# Altium PCB PCB5.PcbDoc (part 1 of 2)
Units mm, origin at the board's own origin, x right, y up, seen from the top; angles counter-clockwise.
Board outline 73.53 x 115.71 mm, 4 copper layers (Top Layer, GROUND, POWER, Bottom Layer), stack 0.603 mm thick; 96 components, 79 nets, 386 pads, 1017 vias.
Unrouted connection lines stored in the file: 10.
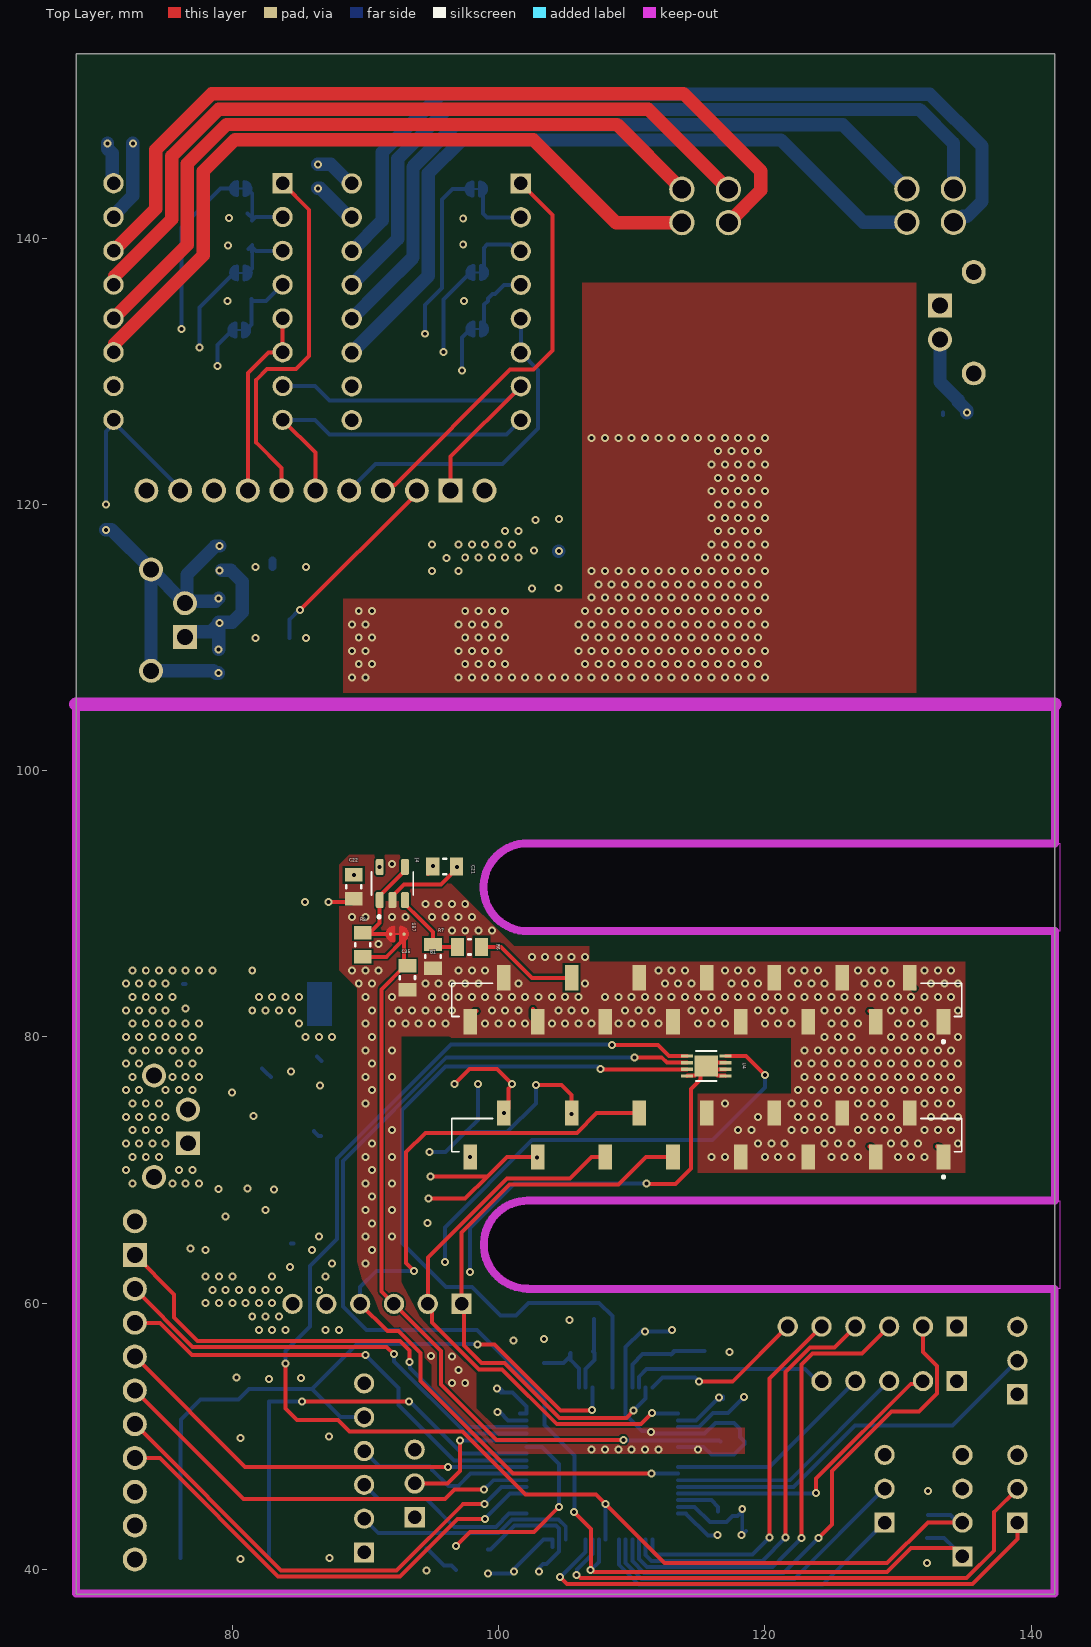
[diagram p0: Top Layer view]
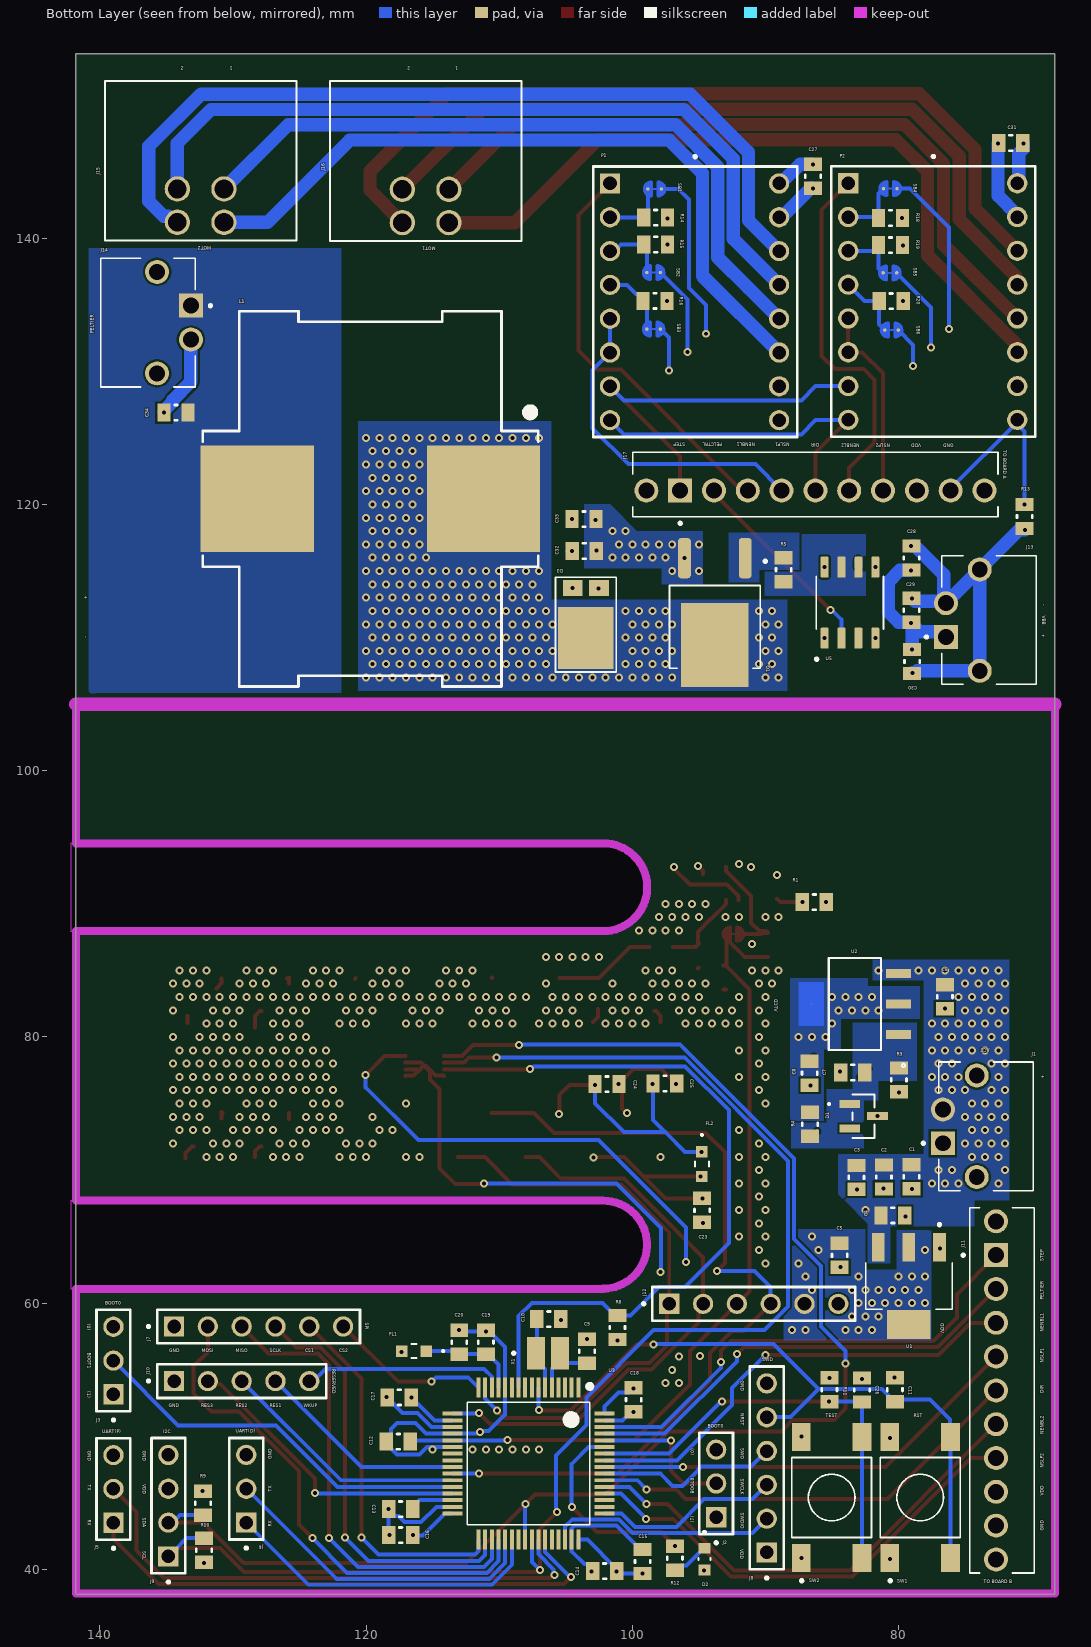
[diagram p1: Bottom Layer view, seen from below]
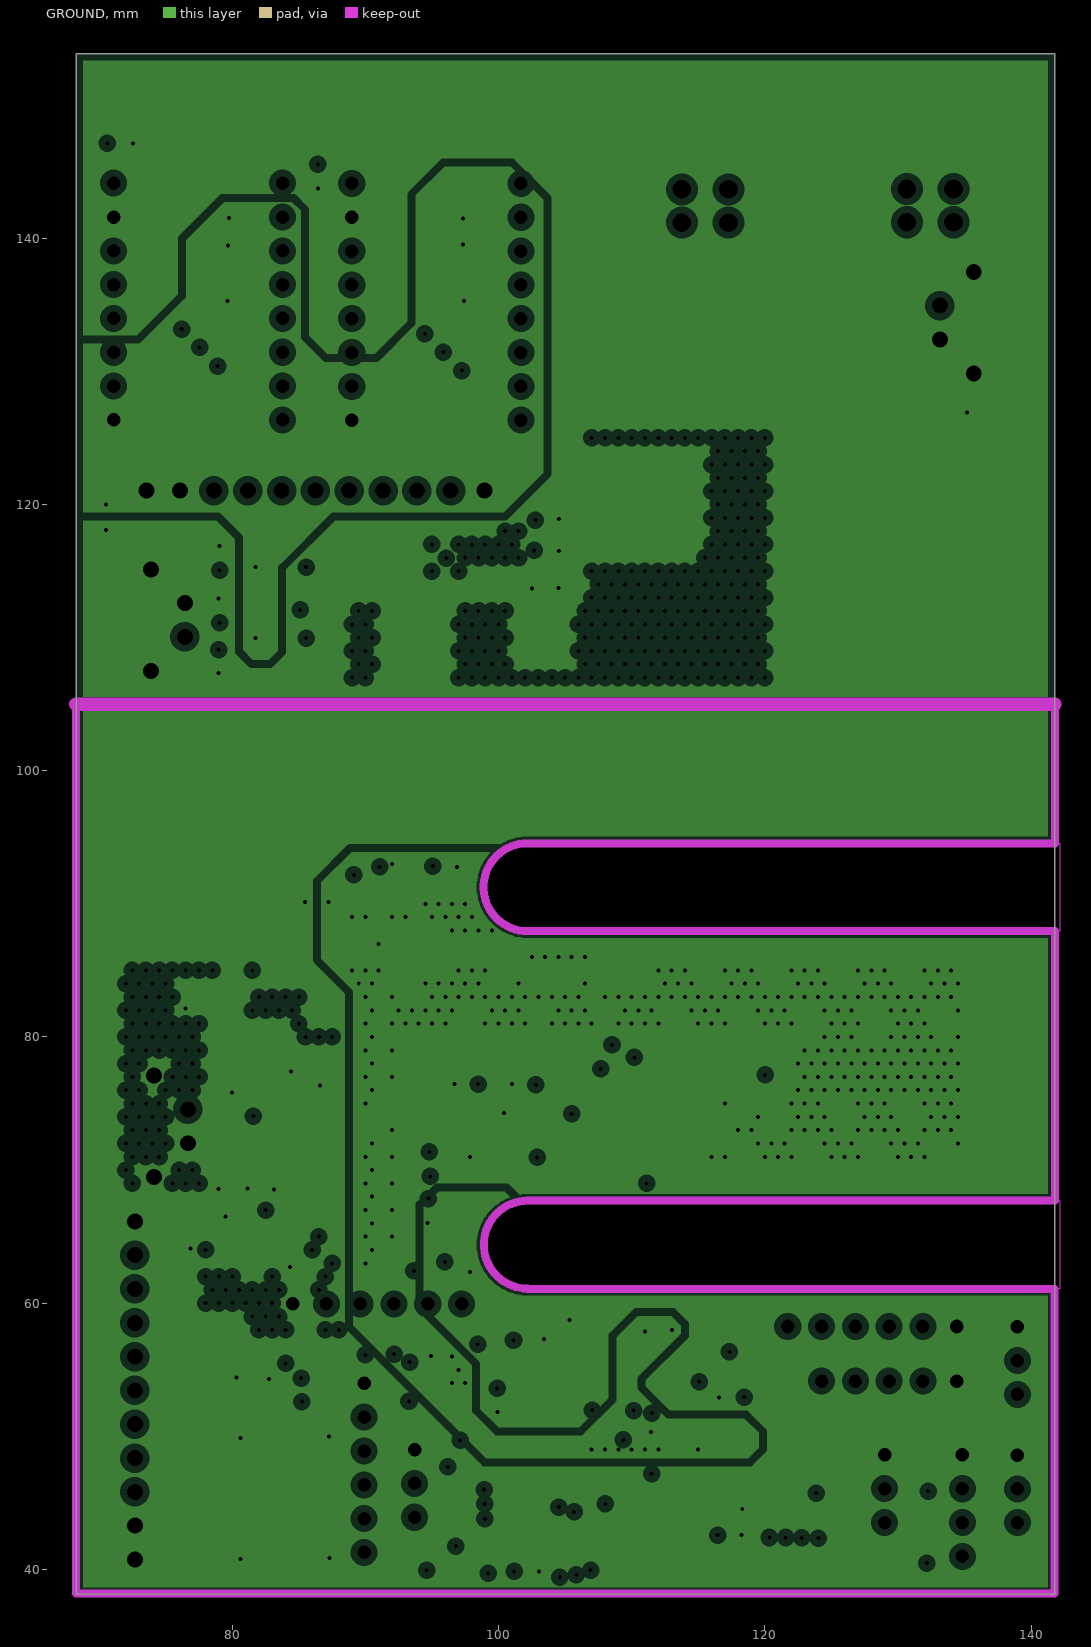
[diagram p2: GROUND, clearances drawn from the general rule]
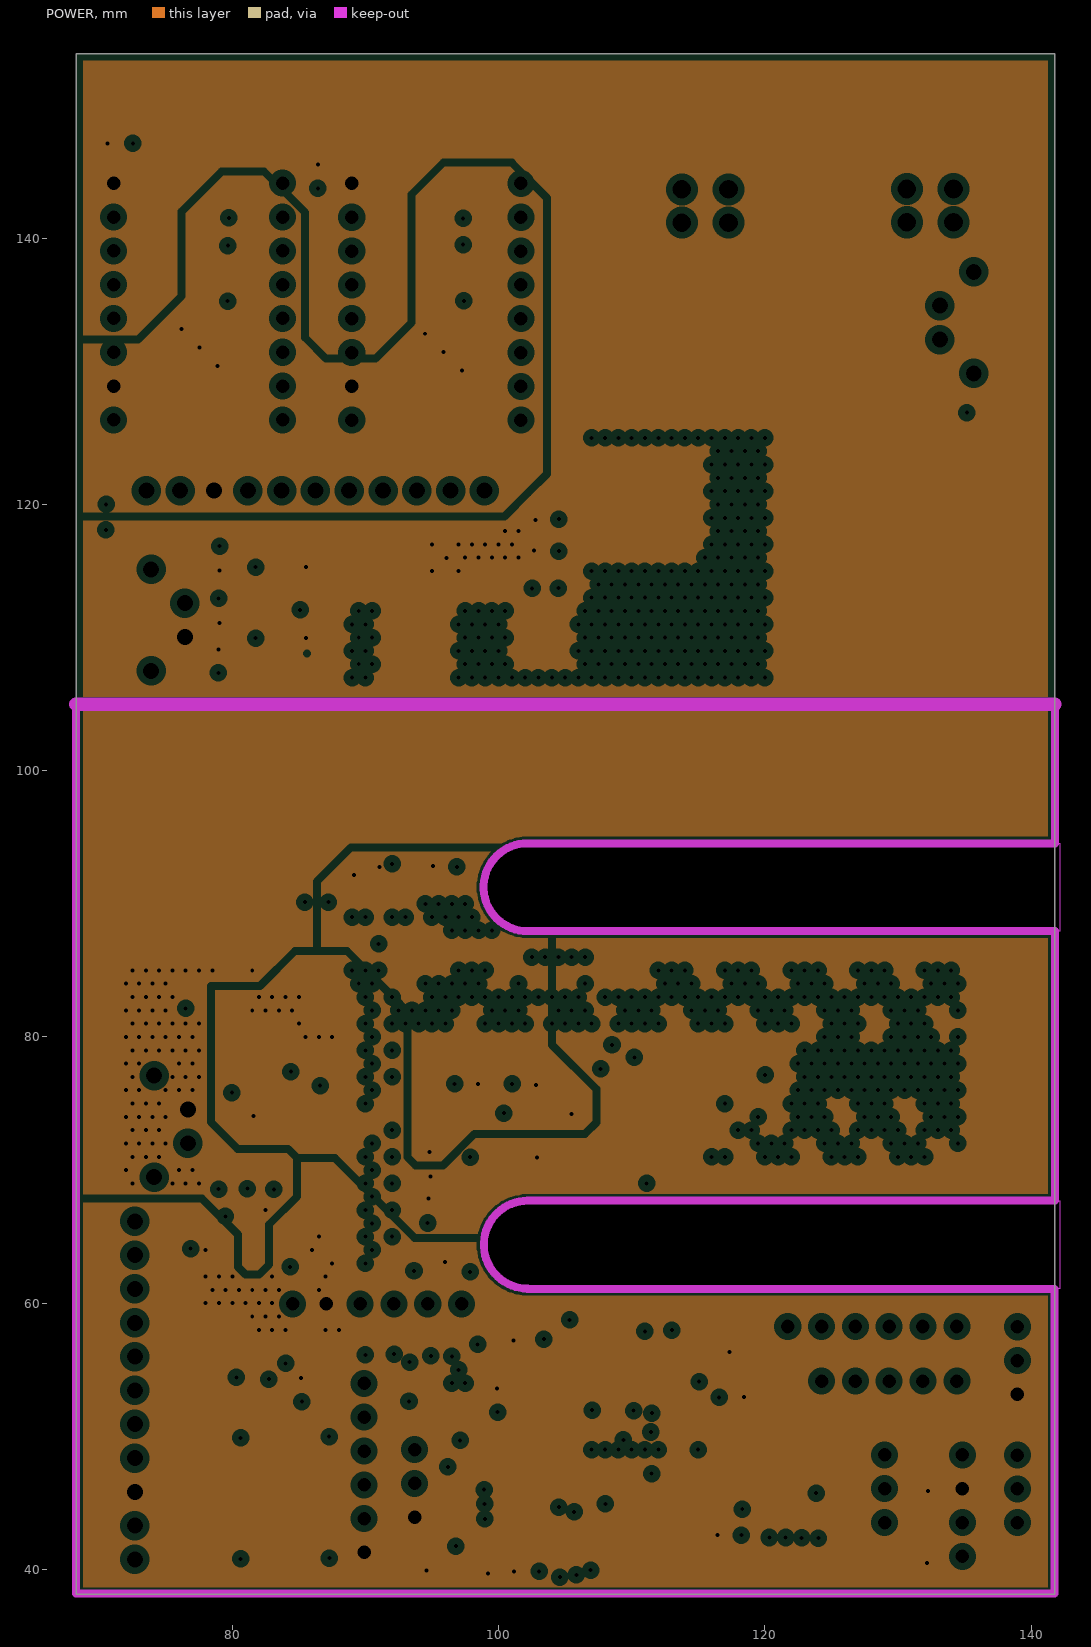
[diagram p3: POWER, clearances drawn from the general rule]

## Layer stack, top to bottom
Top Solder: solder mask 0.0102, Solder Resist, Dk 3.5
Top Layer: signal copper 0.0356
Dielectric 2: prepreg 0.0711, PP-006, Dk 4.1
GROUND: plane copper 0.035, net (Multiple Nets)
Dielectric 1: dielectric 0.32, FR-4, Dk 4.8
POWER: plane copper 0.035, net (Multiple Nets)
Dielectric 3: prepreg 0.0711, PP-006, Dk 4.1
Bottom Layer: signal copper 0.0356
Bottom Solder: solder mask 0.0102, Solder Resist, Dk 3.5

## Board outline
68.267,38.145 141.8,38.145 141.8,153.85 68.267,153.85
cut-out: 102.172,87.951 cw(c102.172,91.251) 102.172,94.551 142.172,94.551 142.172,87.951
cut-out: 102.172,61.081 cw(c102.172,64.381) 102.172,67.681 142.172,67.681 142.172,61.081

## Design rules (kind name [scope] priority, off if disabled: settings)
BoardOutlineClearance [All] p1: gap=0.5 ignorepadtopadclearanceinfootprint=FALSE
Clearance Clearance_Jumper [InComponent('SB*')] p1: gap=0 ignorepadtopadclearanceinfootprint=TRUE
Clearance Clearanse_Temp_Sensor [InComponent('U4')] p2: gap=0.1 ignorepadtopadclearanceinfootprint=FALSE
Clearance Clearance_bridges [All vs InComponent('SB4_MD1') OR InComponent('SB5_MD1') OR InComponent('SB6_MD1') OR InComponent('SB4_MD2') OR InComponent('SB5_MD2') OR InComponent('SB6_MD2')] p3: gap=0.05 ignorepadtopadclearanceinfootprint=FALSE
Clearance [All] p4: gap=0.15 ignorepadtopadclearanceinfootprint=FALSE
PlaneClearance [All] p1: clearance=0.508
PlaneConnect [All] p1: planeconnectstyle=Relief reliefexpansion=0.508 reliefentries=4 reliefconductorwidth=0.254 reliefairgap=0.254
PolygonConnect PolygonConnect_1 [InNet('NetD3_3') OR InNet('NetC34_2') OR InNet('NetQ1_1') OR InNet('VBB2') OR InNet('AGND') OR InNet('GND') OR InNet('VCC') OR InNet('VTCD') OR InNet('VDD') OR InNet('NetR5_1') OR InNet('NetC7_2')] p1: connectstyle=Direct reliefconductorwidth=0.254 reliefentries=4 polygonreliefangle="90 Angle" airgapwidth=0.254
PolygonConnect [All] p2: connectstyle=Relief reliefconductorwidth=0.254 reliefentries=4 polygonreliefangle="90 Angle" airgapwidth=0.254
RoutingVias [All] p1: holewidth=0.6 width=1 viastyle="Through Hole" minholewidth=0.3 minwidth=0.5 maxholewidth=0.3 maxwidth=0.6
ShortCircuit ShortCircuit_bridges [All vs InComponent('SB*')] p1: allowed=TRUE
ShortCircuit [All] p2: allowed=FALSE
SolderMaskExpansion [All] p1: expansion=0.102 istentingtop=FALSE
SupplyNets "Schematic Supply Nets_3" [InNet('PGND2')] p1: voltage=0.000
SupplyNets "Schematic Supply Nets_12" [InNet('VDD2')] p2: voltage=0.000
SupplyNets "Schematic Supply Nets_10" [InNet('GND2')] p3: voltage=0.000
SupplyNets "Schematic Supply Nets_9" [InNet('VBB2')] p4: voltage=0.000
SupplyNets "Schematic Supply Nets_8" [InNet('VTCDA')] p5: voltage=0.000
SupplyNets "Schematic Supply Nets_7" [InNet('VDD')] p6: voltage=0.000
SupplyNets "Schematic Supply Nets_5" [InNet('AGND')] p7: voltage=0.000
SupplyNets "Schematic Supply Nets_4" [InNet('GND')] p8: voltage=0.000
SupplyNets "Schematic Supply Nets_2" [InNet('VDDA')] p9: voltage=0.000
SupplyNets "Schematic Supply Nets_1" [InNet('VCC')] p10: voltage=0.000
SupplyNets "Schematic Supply Nets" [InNet('VTCD')] p11: voltage=0.000
Width Width_bridges [InComponent('SB4_MD1') OR InComponent('SB5_MD1') OR InComponent('SB6_MD1') OR InComponent('SB4_MD2') OR InComponent('SB5_MD2') OR InComponent('SB6_MD2')] p1: maxlimit=0.254 minlimit=0.15 preferedwidth=0.2
Width Width_motores [InNet('VBB')] p2: maxlimit=2 minlimit=0.5 preferedwidth=1
Width [All] p3: maxlimit=1 minlimit=0.2 preferedwidth=0.25
27 further rules are at their usual default settings.

## Classes and differential pairs
component class U_Sensor: B1 C21 C22 C23 C24 C25 C35 FL2 J4 R2 R6 R7 R8 SB7 U4
component class U_PowerDrivers: C27 C28 C29 C30 C31 C32 C33 C34 D3 J13 J14 J15 J16 J17 L1 P1 P2 Q1 R5 R13 R14 R15 R16 R18 R19 R20 SB1 SB2 SB3 SB4 SB5 SB6 U5
component class U_Power: C1 C2 C3 C4 C5 C6 C7 C8 D1 R1 R3 R4 U1 U2
component class U_Out: C26 D2 J5 J6 J7 J8 J9 J10 J11 J12 R9 R10 R11 R12 SW2
component class U_Microcontroller: C9 C10 C11 C12 C13 C14 C15 C16 C17 C18 C19 C20 FL1 J2 J3 SW1 U3 X1

## Components (designator, comment, footprint, x,y, rotation, side; value= is the part's Value field where it differs from the comment)
B1 "TCD1304DG_8Z_AW_" SOCKET-15_SMD-HARWIN_M20-7861546 115.607,77.817 r0 top locked
C1 "4.7uF" RES_0805 79.025,69.5 r90 bottom
C2 "100nF" RES_0805 81.1,69.475 r90 bottom
C3 "100pF" RES_0805 83.175,69.45 r90 bottom
C4 "10uF" RES_0805 80.425,66.6 r0 bottom
C5 "10uF" RES_0805 84.425,63.6 r90 bottom
C6 "10uF" RES_0805 76.525,83.025 r90 bottom
C7 "22uF" RES_0805 83.45,77.325 r180 bottom
C8 "10uF" RES_0805 86.675,77.275 r90 bottom
C9 "10pF" RES_0805 103.4,56.4 r270 bottom
C10 "10pF" RES_0805 106.275,58.8 r0 bottom
C11 "100nF" RES_0805 80.275,53.5 r90 bottom
C12 "100pF not mount" RES_0805 117.575,49.6 r180 bottom
C13 "4.7uF" RES_0805 117.4,44.525 r180 bottom
C14 "4.7uF" RES_0805 102.075,39.875 r0 bottom
C15 "100nF" RES_0805 99.225,40.6 r90 bottom
C16 "100nF" RES_0805 117.4,42.575 r0 bottom
C17 "100nF" RES_0805 117.5,52.925 r180 bottom
C18 "100nF" RES_0805 99.9,52.75 r270 bottom
C19 "4.7uF" RES_0805 111,57.075 r90 bottom
C20 "100nF" RES_0805 113,57.075 r90 bottom
C21 "10uF" RES_0805 95.95,92.8 r0 top
C22 "100nF" RES_0805 89.125,91.275 r270 top
C23 "10uF" RES_0805 94.75,66.975 r270 bottom
C24 "10uF" RES_0805 101.9,76.45 r180 bottom
C25 "100nF" RES_0805 97.55,76.5 r180 bottom
C26 "100nF" RES_0805 82.75,53.475 r90 bottom
C27 "100uF" RES_0805 86.425,144.65 r270 bottom
C28 "4.7uF" RES_0805 79.025,115.975 r270 bottom
C29 "100nF" RES_0805 79.025,112.05 r270 bottom
C30 "100pF" RES_0805 78.975,108.2 r90 bottom
C31 "100uF" RES_0805 71.575,147.15 r0 bottom
C32 "10uF" RES_0805 103.6,116.5 r180 bottom
C33 "100uF" RES_0805 103.625,118.9 r180 bottom
C34 "47uF" RES_0805 134.275,126.9 r180 bottom
C35 "Cext" RES_0805 93.15,84.45 r90 top
D1 "BAS40-7-F" SOT-23_DIO-M 82.625,74.05 r270 bottom
D2 "LED" LEDC1608X35N 94.575,40.775 r270 bottom
D3 "DIODE_FSV15150V" FSV15150V_TO-277 103.49,110.975 r90 bottom
FL1 "BEAD" IND_1608_TDK-M 116.4,56.4 r0 bottom
FL2 "BEAD" IND_1608_TDK-M 94.775,70.446 r270 bottom
J1 "Phoenix2H_1706207" PHOENIX_1706207 69.885,68.455 r90 bottom
J2 "PIN_HEADER_3" GEN_PIN3 93.7,46.46 r90 bottom
J3 "PIN_HEADER_3" GEN_PIN3 138.975,55.69 r90 bottom
J4 "OPAMP" SOT95P280X145-5N 92.025,91.525 r90 top
J5 "PIN_HEADER_3" GEN_PIN3 138.975,46.05 r90 bottom
J6 "PIN_HEADER_3" GEN_PIN3 129,46.065 r90 bottom
J7 "PIN_HEADER_6" GEN_PIN6 128.075,58.25 r180 bottom
J8 "PIN_HEADER_6" GEN_PIN6 89.9,47.625 r90 bottom
J9 "PIN_HEADER_4" GEN_PIN4 134.85,44.79 r90 bottom
J10 "PIN_HEADER_5" GEN_PIN5 129.345,54.15 r180 bottom
J11 "Phoenix9V_1821465" PHOENIX_1821465 74.645,67.17 r270 bottom
J12 "PIN_HEADER_6" GEN_PIN6 90.875,59.95 r180 bottom
J13 "Phoenix2H_1706207" PHOENIX_1706207 69.66,106.485 r90 bottom
J14 "Phoenix2H_1706207" PHOENIX_1706207 139.94,138.49 r270 bottom
J15 "1787014" CONN4_1787014_PXC 130.675,141.2 r0 bottom
J16 "1787014" CONN4_1787014_PXC 113.775,141.175 r0 bottom
J17 "Phoenix9V_1821465" PHOENIX_1821465 99.965,119.08 r180 bottom
L1 "74437529203220" WE-HCF_2920_ROUND 119.675,120.425 r270 bottom
P1 "2x8_PINES" PINES8x2-sep 95.245,135.581 r270 bottom locked
P2 "2x8_PINES" PINES8x2-sep 77.35,135.6 r270 bottom locked
Q1 "AOD417" DPAK228P994X240_3N 93.8,111.875 r0 bottom
R1 "0" RES_0805 86.325,90.125 r180 bottom
R2 "RISO" RES_0805 89.8,86.925 r270 top
R3 "220" RES_0805 79.975,76.775 r90 bottom
R4 "100" RES_0805 86.65,73.45 r270 bottom
R5 "10" RES_0805 88.625,115.1 r90 bottom
R6 "1k" RES_0805 97.825,86.775 r180 top
R7 "10k" RES_0805 95.075,86.05 r270 top
R8 "10k" RES_0805 101.125,58.175 r270 bottom
R9 "10k" RES_0805 132.25,44.975 r90 bottom
R10 "10k" RES_0805 132.175,41.45 r270 bottom
R11 "10k" RES_0805 85.2,53.5 r90 bottom
R12 "150" RES_0805 96.8,40.85 r270 bottom
R13 "0" RES_0805 70.525,119.1 r270 bottom
R14 "10k" RES_0805 98.25,141.55 r0 bottom
R15 "10k" RES_0805 98.25,139.525 r0 bottom
R16 "10k" RES_0805 98.3,135.3 r0 bottom
R18 "10k" RES_0805 80.6,141.525 r0 bottom
R19 "10k" RES_0805 80.6,139.475 r0 bottom
R20 "10k" RES_0805 80.55,135.275 r0 bottom
SB1 "SolderBridge_Short" SolderBridge_Short#1 98.325,143.7 r0 bottom
SB2 "SolderBridge_Short" SolderBridge_Short#1 98.4,137.425 r0 bottom
SB3 "SolderBridge_Short" SolderBridge_Short#1 98.4,133.175 r0 bottom
SB4 "SolderBridge_Short" SolderBridge_Short#2 80.625,143.725 r0 bottom
SB5 "SolderBridge_Short" SolderBridge_Short#3 80.65,137.4 r0 bottom
SB6 "SolderBridge_Short" SolderBridge_Short#2 80.525,133.1 r0 bottom
SB7 "RISO" SolderBridge_Short#4 92.4,87.725 r0 top
SW1 "BOTON" SW_4-1437565-2 78.375,45.4 r90 bottom
SW2 "BOTON" SW_4-1437565-2 85.025,45.4 r90 bottom
U1 "NCV1117ST33T3G" SOT230P700X180-4N 79.225,61.3 r270 bottom
U2 "NCV1117STAT3G" SOT223-3_ONS-M 83.275,82.475 r90 bottom
U3 "STM32F446RCT6TR" QFP50P1200X1200X160-64N 107.8,47.95 r270 bottom
U4 "MCP9808T-E/MC" DFN8_2x3MC_MCH-M 115.607,77.817 r0 top
U5 "TC4420COA" SOIC127P599X175-8N 83.65,112.625 r90 bottom
X1 "CRISTAL-8M" XTALDFN320X250X100-2N 106.325,56.25 r180 bottom
